# Altium PCB eRTM15_Baikal.PcbDoc (part 1 of 7)
Units mm, origin at the board's own origin, x right, y up, seen from the top; angles counter-clockwise.
Board outline 161.5 x 148.5 mm, 8 copper layers (Top Layer, RF_Layer_1, GND_PWR_Plane, RF_Layer_3, RF_Layer_4, GND_PWR_Plane_2, RF_Layer_6, Bottom Layer), stack 1.462 mm thick; 749 components, 528 nets, 2540 pads, 2420 vias.
Unrouted connection lines stored in the file: 24.
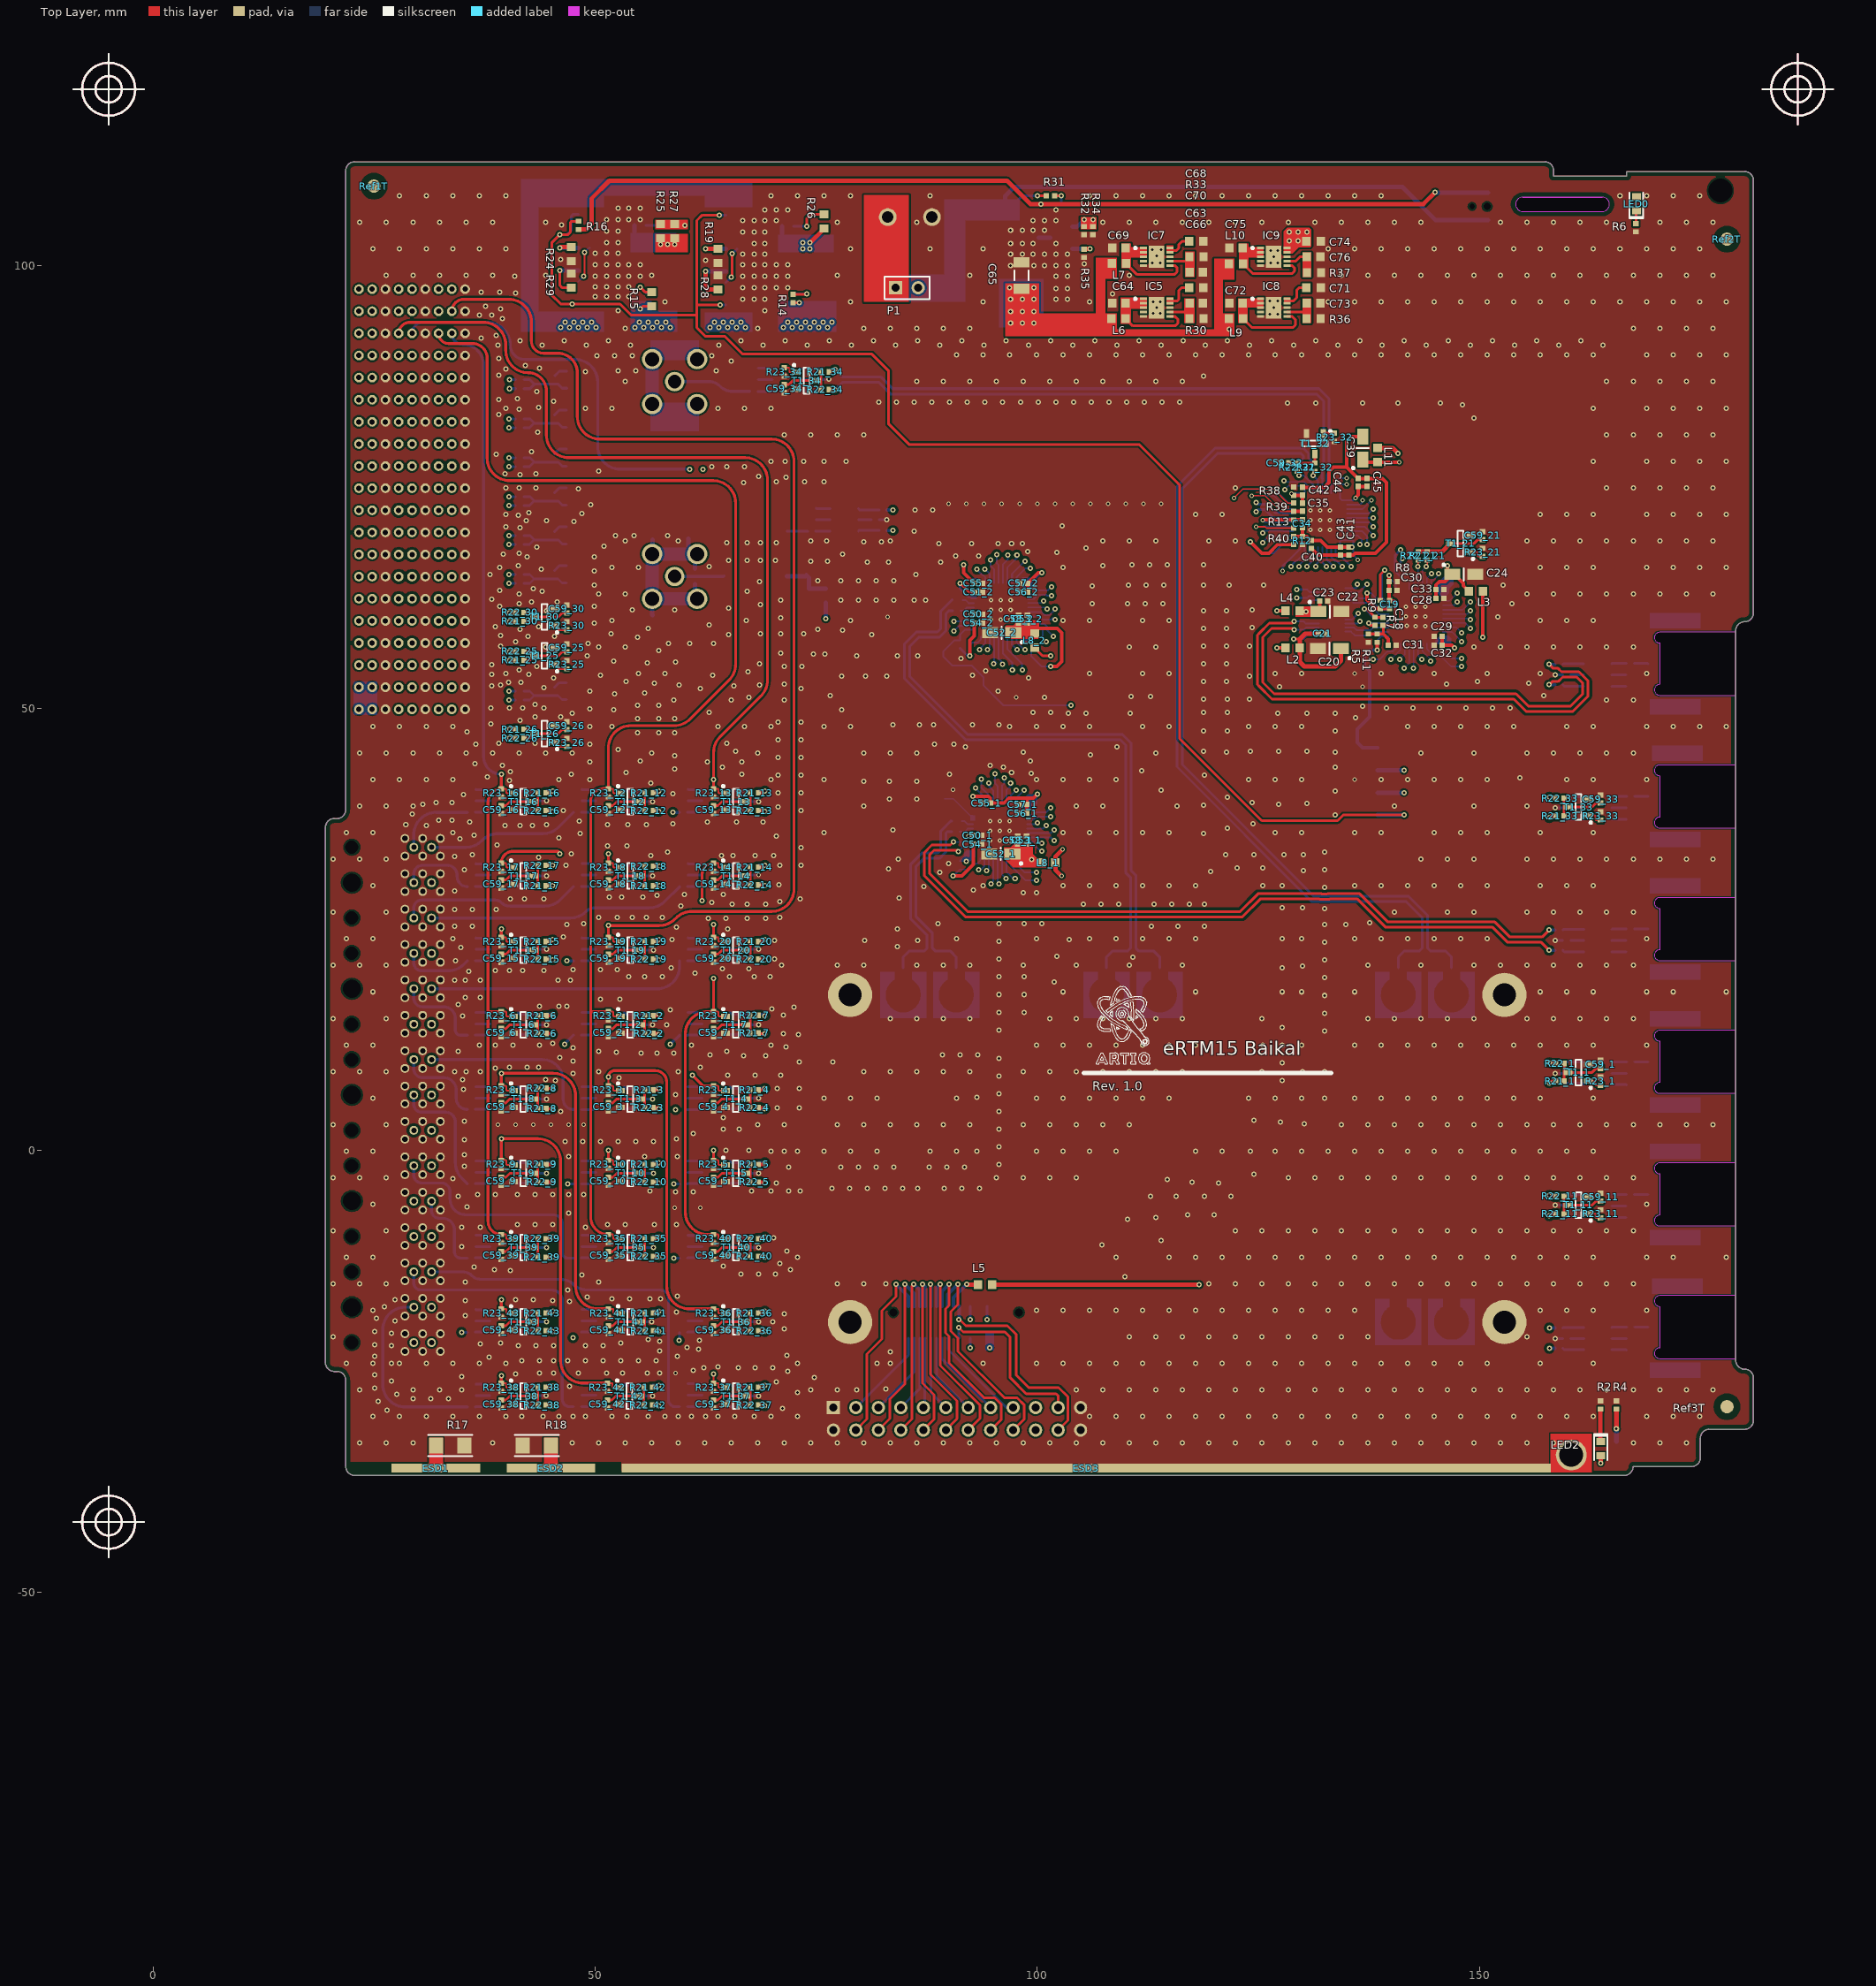
[diagram p0: Top Layer view]
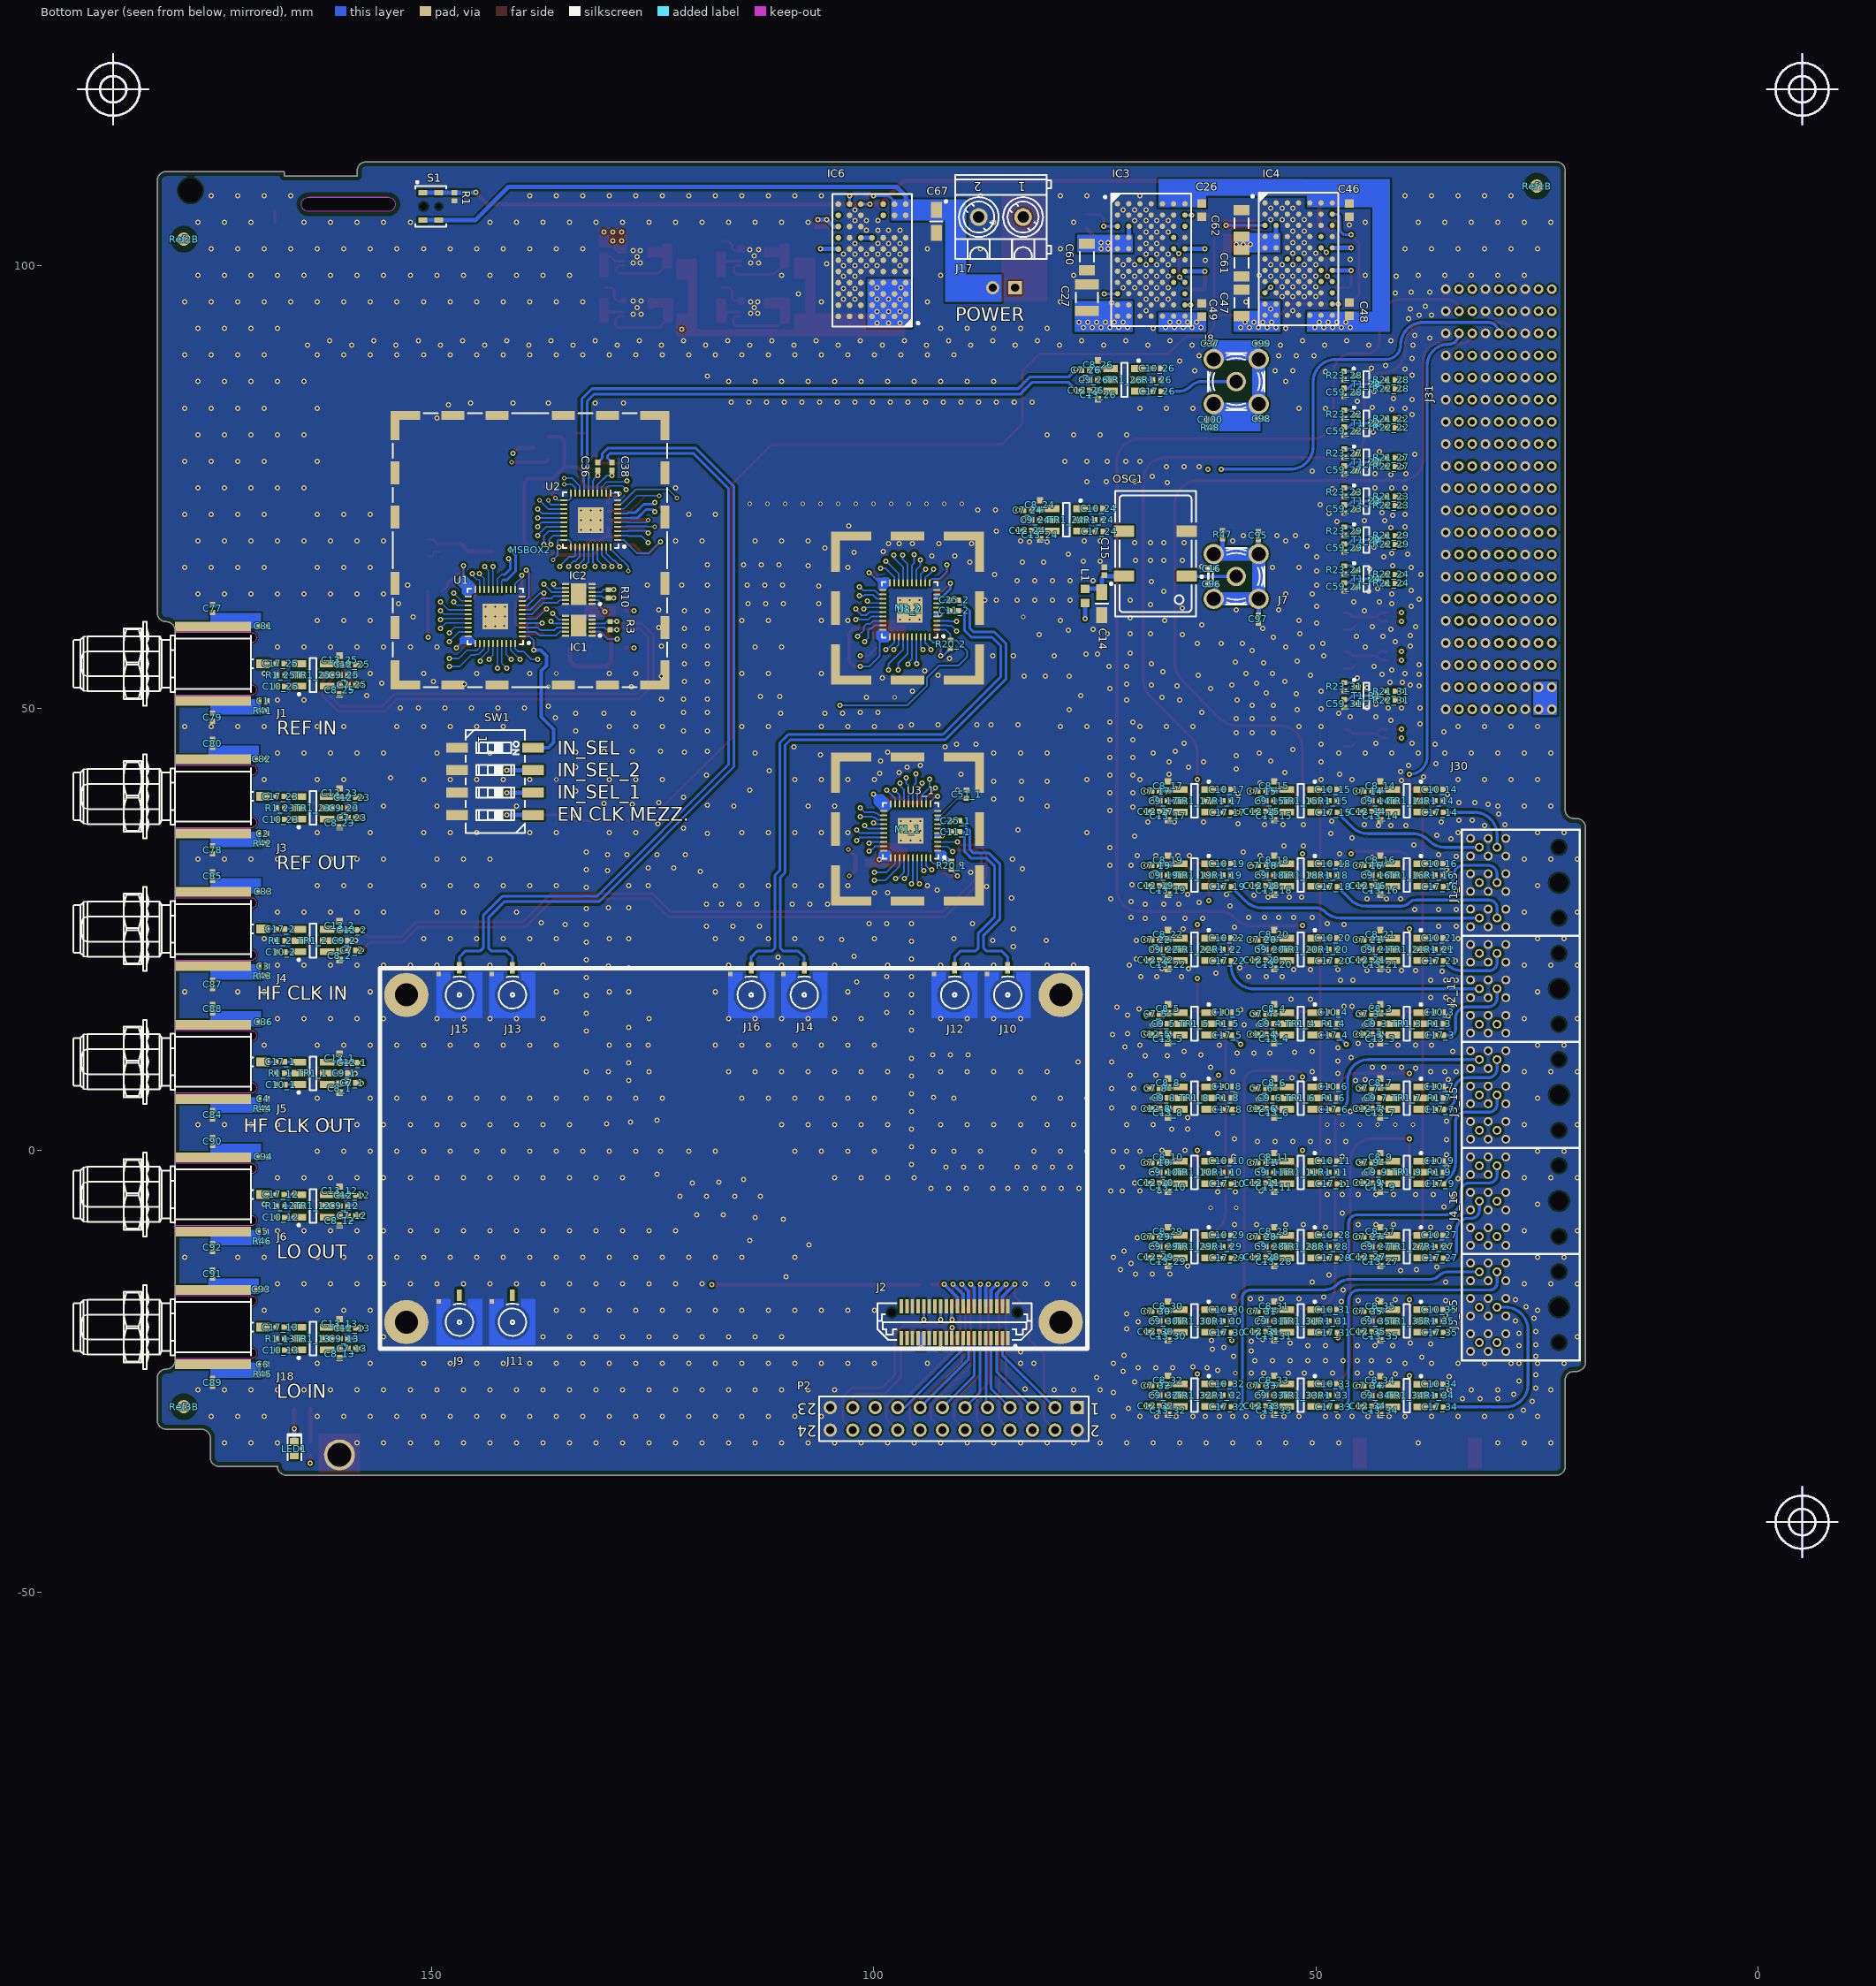
[diagram p1: Bottom Layer view, seen from below]
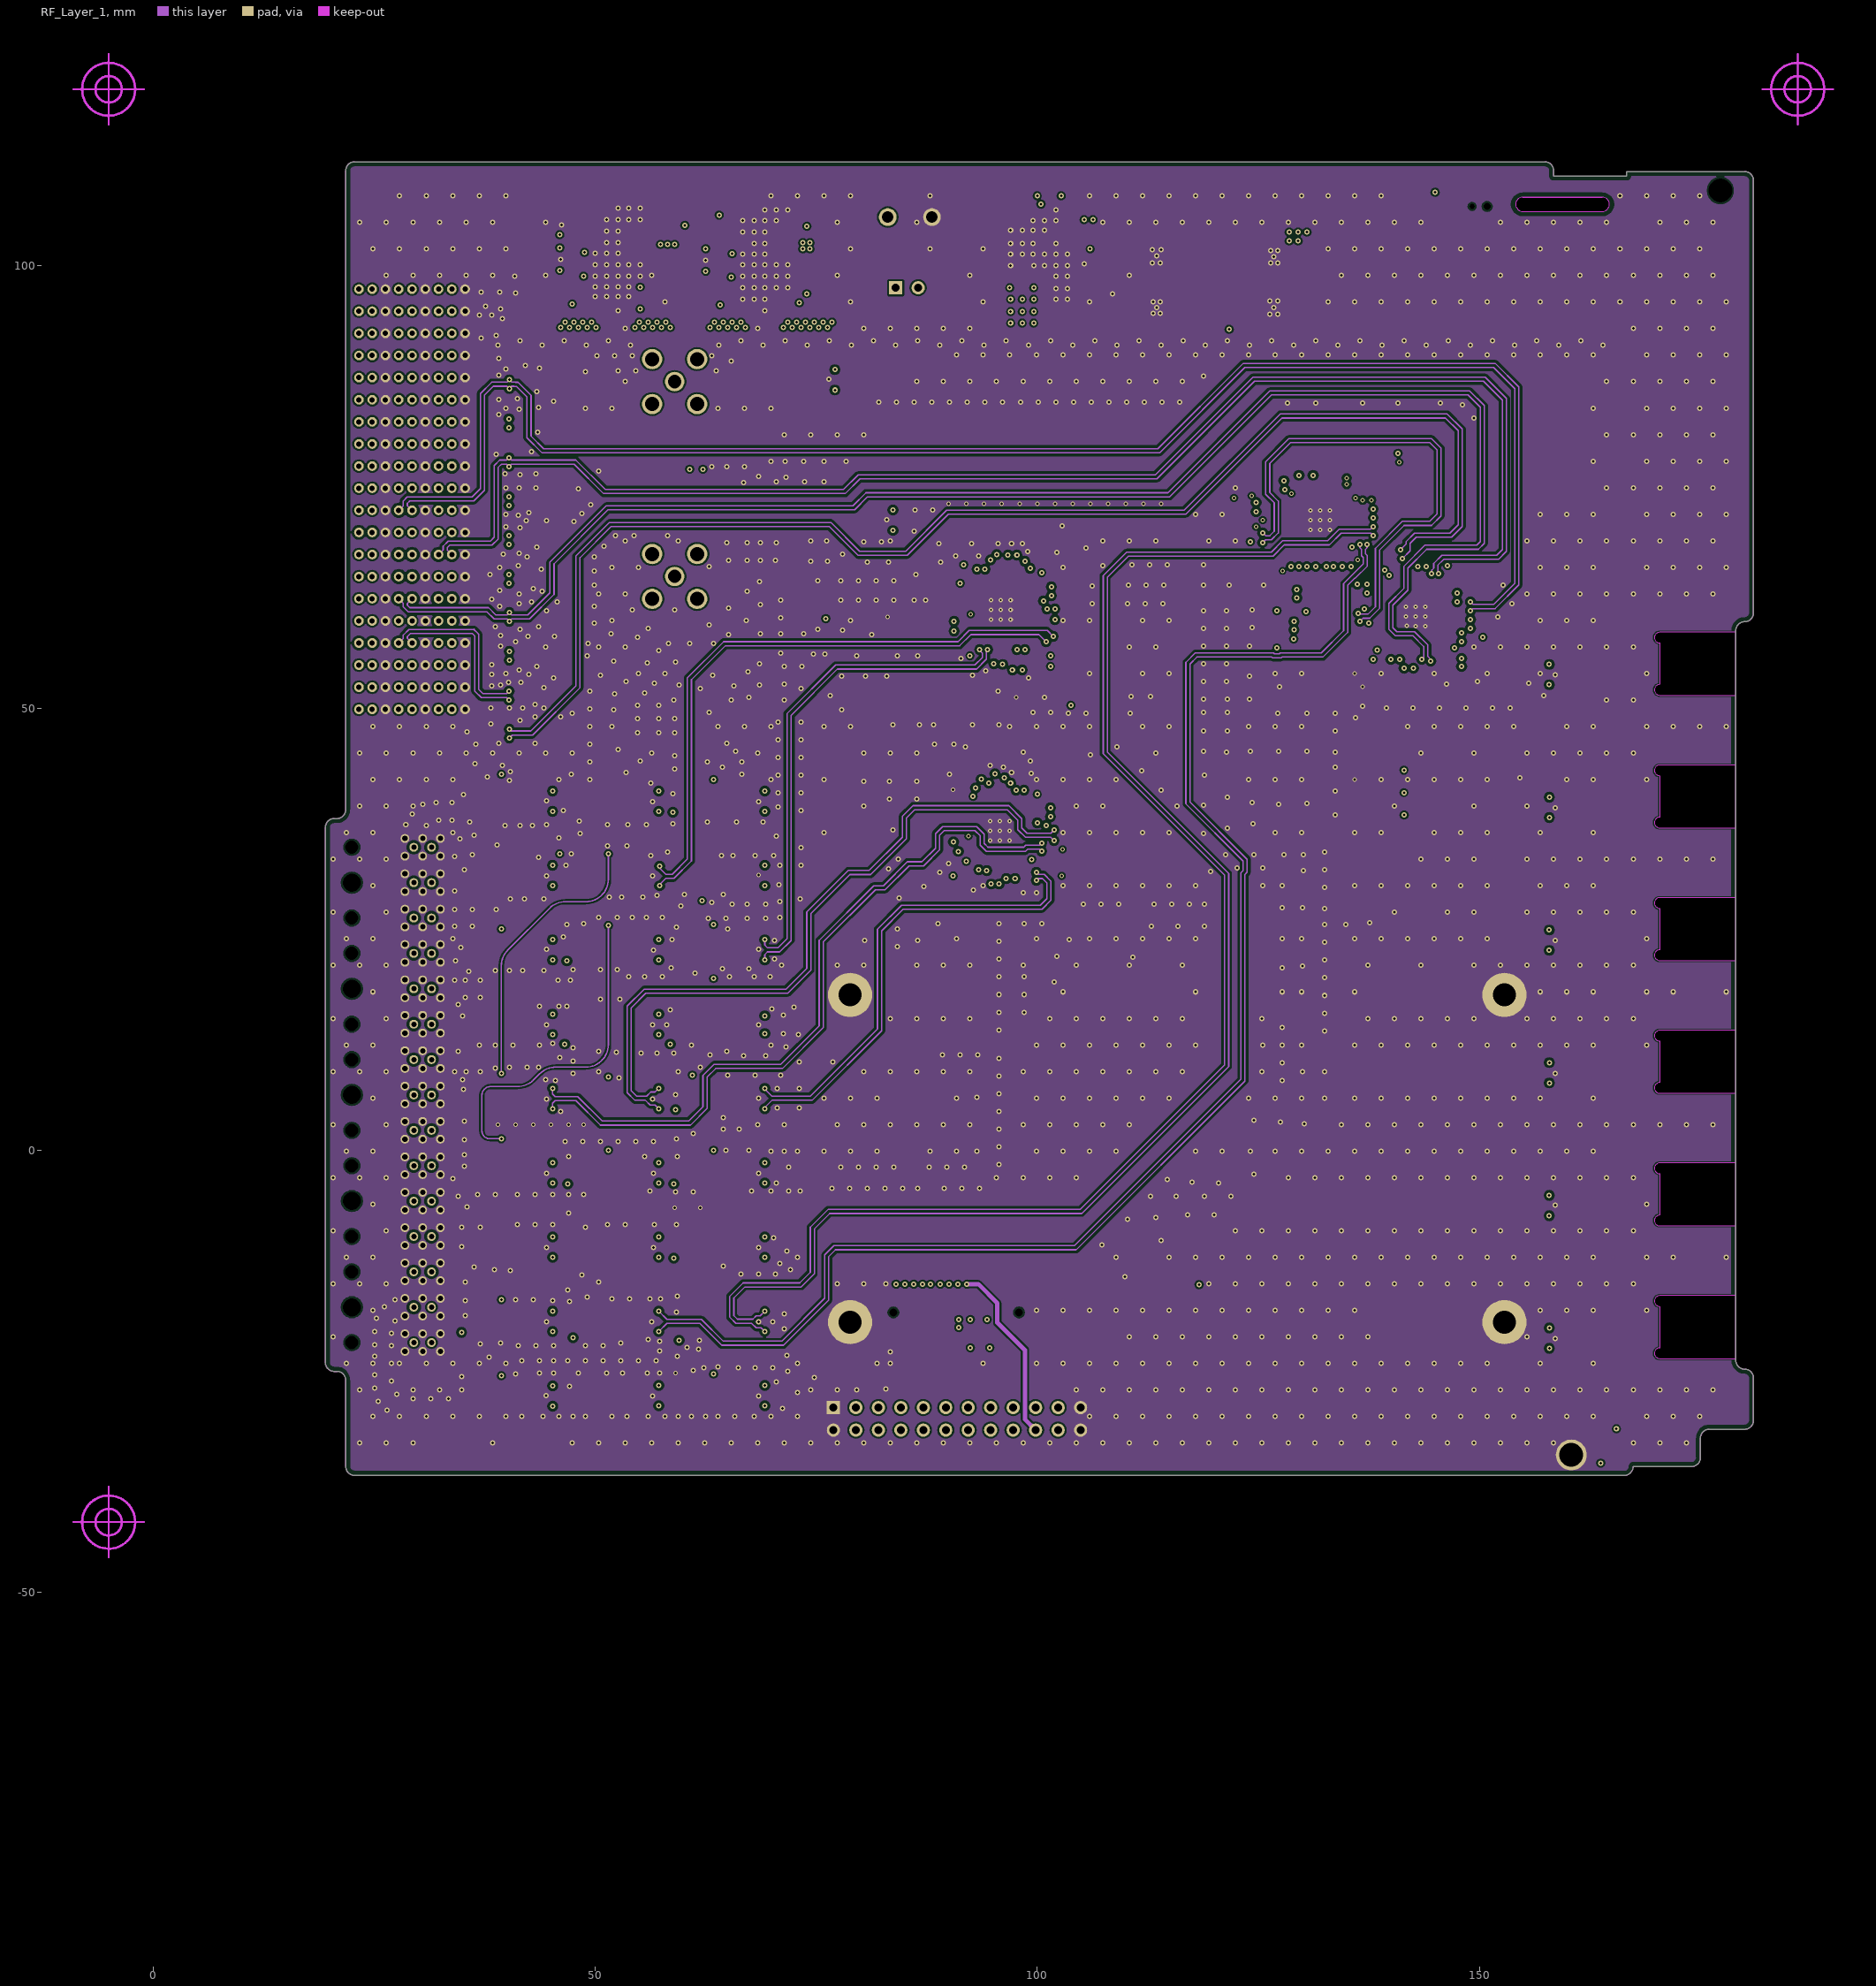
[diagram p2: RF_Layer_1]